# KiCad board bkp_austin.kicad_pcb
title: Austin PCB; date: 2021-03-26; rev: v2.1.2; company: Designed By Gondolindrim; note: In partnership with driftingbunnies and PheonixStarr
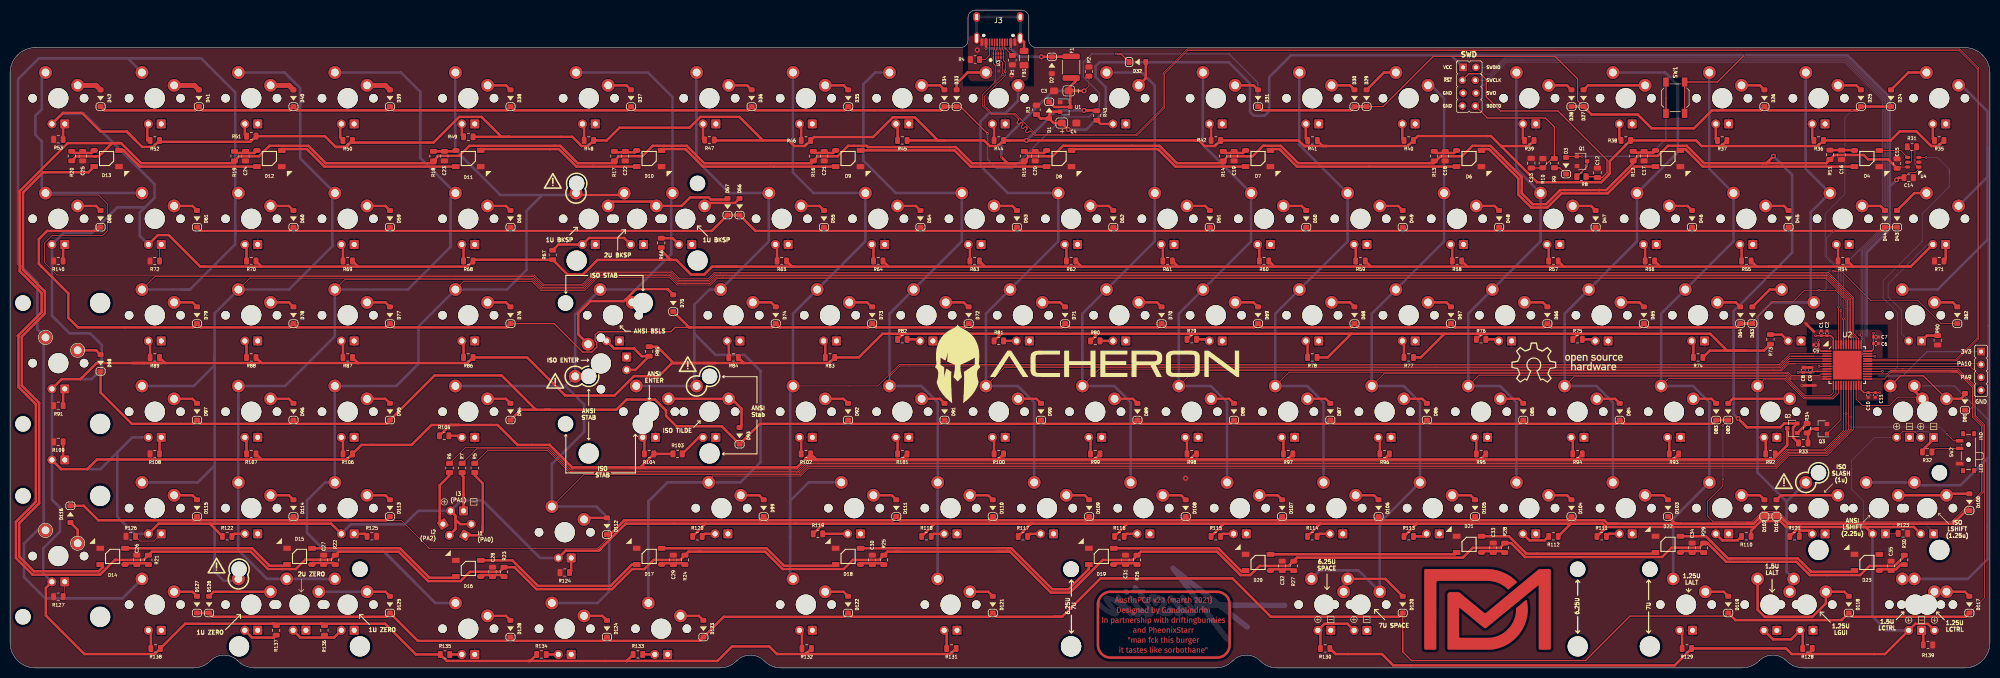
[diagram p0: board, top side]
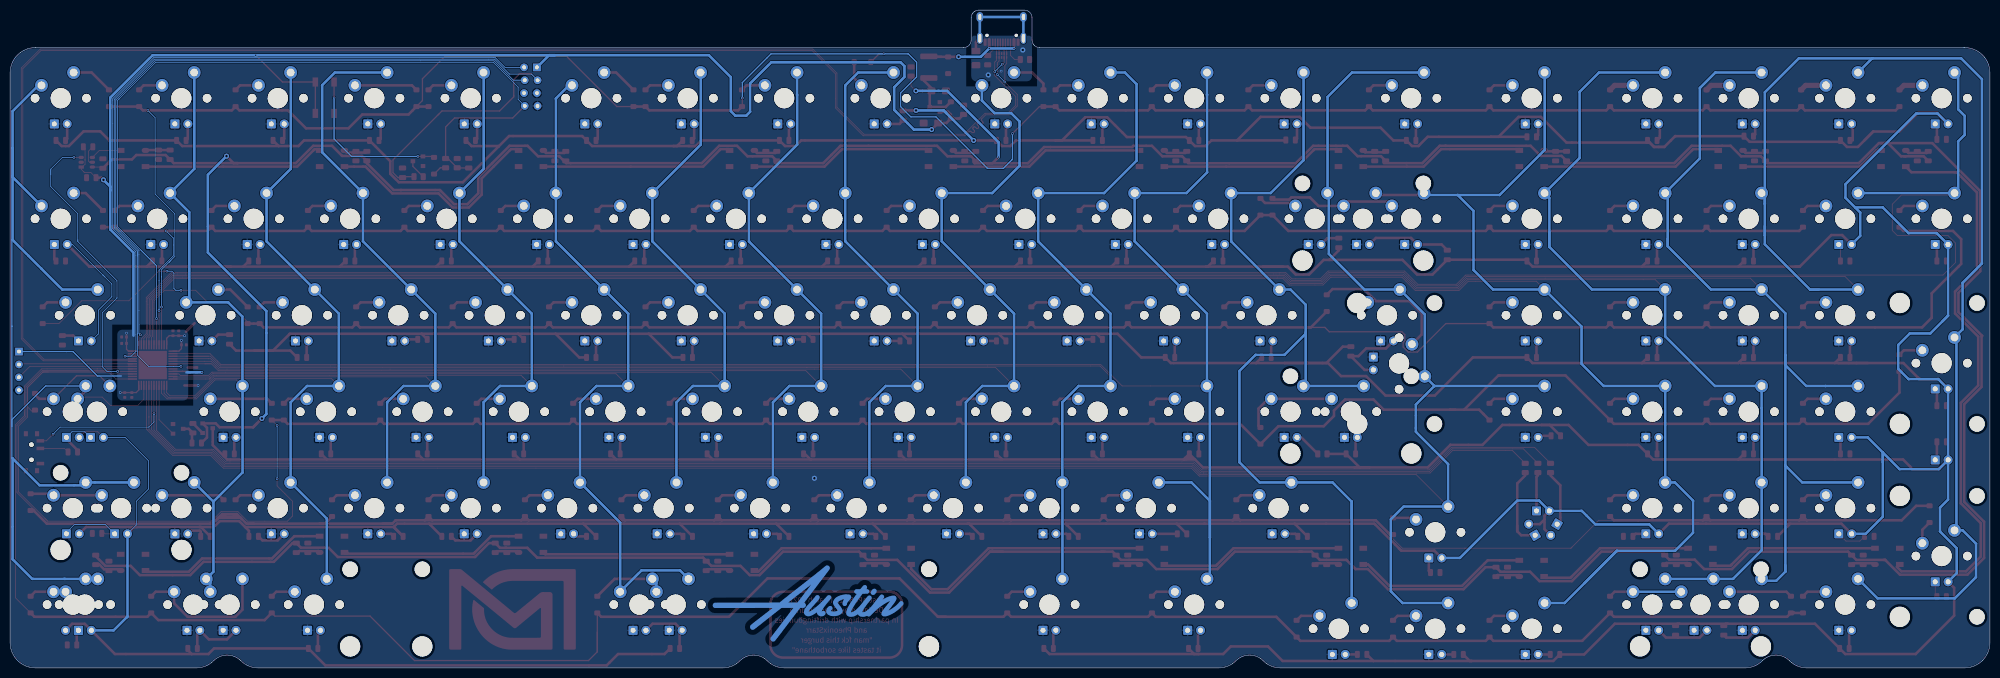
[diagram p1: board, bottom side, seen from below]

Outline 391 x 129.91 mm; copper layers: Top, Bottom. Coordinates in mm from the lower left corner of the outline.
Outline path: 5.08,122.51 arc(1.48,121.06) 0,117.48 0,5 arc(1.46,1.46) 5,0 36.16,0 arc(38,0.37) 39.55,1.41 arc(42.25,2.53) 44.95,1.41 arc(46.51,0.37) 48.35,0 140.11,0 arc(141.95,0.37) 143.51,1.41 arc(146.21,2.53) 148.91,1.41 arc(150.47,0.37) 152.3,0 238.07,0 arc(239.91,0.37) 241.47,1.41 arc(244.17,2.53) 246.87,1.41 arc(248.42,0.37) 250.26,0 342.03,0 arc(343.86,0.37) 345.42,1.41 arc(348.12,2.53) 350.82,1.41 arc(352.38,0.37) 354.22,0 386,0 arc(389.54,1.47) 391,5 391,117.51 arc(389.54,121.04) 386,122.51 202.69,122.51 arc(201.63,122.95) 201.19,124.01 201.19,128.41 arc(200.75,129.47) 199.69,129.91 190.68,129.91 arc(189.62,129.47) 189.18,128.41 189.18,124.01 arc(188.74,122.95) 187.68,122.51 5.08,122.51
Stack: Top 0.035mm / dielectric 1.51mm FR4 er 4.5 / Bottom 0.035mm

## Placement (name value [footprint] x y rotation side)
C1  1u  [C_0402_1005Metric]  357.7 66.08 270 top
C2  100n  [C_0402_1005Metric]  358.84 66.08 270 top
C3  1u  [CP_EIA-3216-10_Kemet-I_Pad1.58x1.35mm_HandSolder]  207.62 113.96 180 top
C4  1u  [CP_EIA-3216-10_Kemet-I_Pad1.58x1.35mm_HandSolder]  209.14 107.61 0 top
C5  100n  [C_0402_1005Metric]  356.68 63.8 180 top
C6  100n  [C_0402_1005Metric]  368.49 64.08 180 top
C7  1u  [C_0402_1005Metric]  368.49 65.35 180 top
C8  4.7u  [C_0402_1005Metric]  354.14 58.84 270 top
C9  10n  [C_0402_1005Metric]  355.54 58.84 270 top
C10  100n  [C_0402_1005Metric]  366.97 53.89 90 top
C11  1u  [C_0402_1005Metric]  368.37 53.89 90 top
C12  10n  [C_0805_2012Metric#2]  313.5 97.78 90 top
C13  10u  [C_0805_2012Metric#2]  300.42 99.68 270 top
C14  100n  [C_0805_2012Metric]  374.97 96.82 0 top
C15  100n  [C_0805_2012Metric]  372.68 99.61 90 top
C16  100n  [C_0805_2012Metric]  361.7 101.33 90 top
C17  100n  [C_0805_2012Metric]  322.71 101.08 90 top
C18  100n  [C_0805_2012Metric]  283.42 101.08 90 top
C19  100n  [C_0805_2012Metric]  241.74 101.08 90 top
C20  100n  [C_0805_2012Metric]  202.45 101.08 90 top
C21  100n  [C_0805_2012Metric]  160.78 101.08 90 top
C22  100n  [C_0805_2012Metric]  121.49 101.08 90 top
C23  100n  [C_0805_2012Metric]  85.77 101.08 90 top
C24  100n  [C_0805_2012Metric]  46.48 101.08 90 top
C25  100n  [C_0805_2012Metric]  14.34 101.08 90 top
C26  100n  [C_0805_2012Metric]  25.02 21.33 270 top
C27  100n  [C_0805_2012Metric]  61.93 21.33 270 top
C28  100n  [C_0805_2012Metric]  95.27 18.95 270 top
C29  100n  [C_0805_2012Metric]  130.98 21.33 270 top
C30  100n  [C_0805_2012Metric]  170.28 21.33 270 top
C31  100n  [C_0805_2012Metric]  220.28 21.33 270 top
C32  100n  [C_0805_2012Metric]  251.24 20.14 270 top
C33  100n  [C_0805_2012Metric]  292.91 23.71 270 top
C34  100n  [C_0805_2012Metric]  332.2 23.71 270 top
C35  100n  [C_0805_2012Metric]  371.49 20.14 270 top
D1  RB060M-60TR  [D_SOD-123]  205.2 110.15 270 top
D2  SMF6.0A  [D_SOD-123]  205.75 119.02 270 top
D3  1N4148W  [D_SOD-123]  307.28 99.17 90 top
D4  WS2812C  [LED_WS2812B_5.0x5.0mm_P3.2mm]  366.71 100.6 0 top
D5  WS2812C  [LED_WS2812B_5.0x5.0mm_P3.2mm]  327.42 100.6 0 top
D6  WS2812C  [LED_WS2812B_5.0x5.0mm_P3.2mm]  288.13 100.6 0 top
D7  WS2812C  [LED_WS2812B_5.0x5.0mm_P3.2mm]  246.46 100.6 0 top
D8  WS2812C  [LED_WS2812B_5.0x5.0mm_P3.2mm]  207.17 100.6 0 top
D9  WS2812C  [LED_WS2812B_5.0x5.0mm_P3.2mm]  165.5 100.6 0 top
D10  WS2812C  [LED_WS2812B_5.0x5.0mm_P3.2mm]  126.21 100.6 0 top
D11  WS2812C  [LED_WS2812B_5.0x5.0mm_P3.2mm]  90.49 100.6 0 top
D12  WS2812C  [LED_WS2812B_5.0x5.0mm_P3.2mm]  51.2 100.6 0 top
D13  WS2812C  [LED_WS2812B_5.0x5.0mm_P3.2mm]  19.05 100.6 0 top
D14  WS2812C  [LED_WS2812B_5.0x5.0mm_P3.2mm]  20.24 22.02 180 top
D15  WS2812C  [LED_WS2812B_5.0x5.0mm_P3.2mm]  57.15 22.02 180 top
D16  WS2812C  [LED_WS2812B_5.0x5.0mm_P3.2mm]  90.49 19.64 180 top
D17  WS2812C  [LED_WS2812B_5.0x5.0mm_P3.2mm]  126.21 22.02 180 top
D18  WS2812C  [LED_WS2812B_5.0x5.0mm_P3.2mm]  165.5 22.02 180 top
D19  WS2812C  [LED_WS2812B_5.0x5.0mm_P3.2mm]  215.5 22.02 180 top
D20  WS2812C  [LED_WS2812B_5.0x5.0mm_P3.2mm]  246.46 20.83 180 top
D21  WS2812C  [LED_WS2812B_5.0x5.0mm_P3.2mm]  288.13 24.4 180 top
D22  WS2812C  [LED_WS2812B_5.0x5.0mm_P3.2mm]  327.42 24.4 180 top
D23  WS2812C  [LED_WS2812B_5.0x5.0mm_P3.2mm]  366.71 20.83 180 top
D24  1N4148W  [D_SOD-123]  371.48 112.51 90 top
D25  1N4148W  [D_SOD-123]  365.52 112.51 90 top
D26  1N4148W  [D_SOD-123]  346.47 112.51 90 top
D27  1N4148W  [D_SOD-123]  310.75 112.51 90 top
D28  1N4148W  [D_SOD-123]  308.37 112.51 90 top
D29  1N4148W  [D_SOD-123]  267.89 112.51 90 top
D30  1N4148W  [D_SOD-123]  265.51 112.51 90 top
D31  1N4148W  [D_SOD-123]  246.46 112.51 90 top
D32  1N4148W  [D_SOD-123]  222.65 119.65 0 top
D33  1N4148W  [D_SOD-123]  186.93 112.51 90 top
D34  1N4148W  [D_SOD-123]  184.52 112.51 90 top
D35  1N4148W  [D_SOD-123]  165.52 112.51 90 top
D36  1N4148W  [D_SOD-123]  146.45 112.51 90 top
D37  1N4148W  [D_SOD-123]  122.63 112.51 90 top
D38  1N4148W  [D_SOD-123]  98.82 112.51 90 top
D39  1N4148W  [D_SOD-123]  75.01 112.51 90 top
D40  1N4148W  [D_SOD-123]  55.96 112.51 90 top
D41  1N4148W  [D_SOD-123]  37.28 112.51 90 top
D42  1N4148W  [D_SOD-123]  17.86 112.51 90 top
D43  1N4148W  [D_SOD-123]  372.67 88.7 90 top
D44  1N4148W  [D_SOD-123]  370.28 88.7 90 top
D45  1N4148W  [D_SOD-123]  351.23 88.7 90 top
D46  1N4148W  [D_SOD-123]  332.18 88.7 90 top
D47  1N4148W  [D_SOD-123]  313.13 88.7 90 top
D48  1N4148W  [D_SOD-123]  294.08 88.7 90 top
D49  1N4148W  [D_SOD-123]  275.03 88.7 90 top
D50  1N4148W  [D_SOD-123]  255.98 88.7 90 top
D51  1N4148W  [D_SOD-123]  236.93 88.7 90 top
D52  1N4148W  [D_SOD-123]  217.88 88.7 90 top
D53  1N4148W  [D_SOD-123]  198.83 88.7 90 top
D54  1N4148W  [D_SOD-123]  179.78 88.7 90 top
D55  1N4148W  [D_SOD-123]  160.73 88.7 90 top
D56  1N4148W  [D_SOD-123]  144.07 91.08 90 top
D57  1N4148W  [D_SOD-123]  141.68 91.08 90 top
D58  1N4148W  [D_SOD-123]  98.82 88.7 90 top
D59  1N4148W  [D_SOD-123]  75.01 88.7 90 top
D60  1N4148W  [D_SOD-123]  55.96 88.7 90 top
D61  1N4148W  [D_SOD-123]  36.91 88.7 90 top
D62  1N4148W  [D_SOD-123]  384.57 69.65 90 top
D63  1N4148W  [D_SOD-123]  344.09 69.65 90 top
D64  1N4148W  [D_SOD-123]  341.71 69.65 90 top
D65  1N4148W  [D_SOD-123]  322.66 69.65 90 top
D66  1N4148W  [D_SOD-123]  303.61 69.65 90 top
D67  1N4148W  [D_SOD-123]  284.56 69.65 90 top
D68  1N4148W  [D_SOD-123]  265.51 69.65 90 top
D69  1N4148W  [D_SOD-123]  246.46 69.65 90 top
D70  1N4148W  [D_SOD-123]  227.41 69.65 90 top
D71  1N4148W  [D_SOD-123]  208.36 69.65 90 top
D72  1N4148W  [D_SOD-123]  189.31 69.65 90 top
D73  1N4148W  [D_SOD-123]  170.26 69.65 90 top
D74  1N4148W  [D_SOD-123]  151.21 69.65 90 top
D75  1N4148W  [D_SOD-123]  130.97 72.03 90 top
D76  1N4148W  [D_SOD-123]  98.82 69.65 90 top
D77  1N4148W  [D_SOD-123]  75.01 69.65 90 top
D78  1N4148W  [D_SOD-123]  55.96 69.65 90 top
D79  1N4148W  [D_SOD-123]  36.91 69.65 90 top
D80  1N4148W  [D_SOD-123]  17.86 88.7 90 top
D81  1N4148W  [D_SOD-123]  386.08 52.57 90 top
D82  1N4148W  [D_SOD-123]  339.33 50.6 90 top
D83  1N4148W  [D_SOD-123]  336.95 50.6 90 top
D84  1N4148W  [D_SOD-123]  317.9 50.6 90 top
D85  1N4148W  [D_SOD-123]  298.85 50.6 90 top
D86  1N4148W  [D_SOD-123]  279.8 50.6 90 top
D87  1N4148W  [D_SOD-123]  260.75 50.6 90 top
D88  1N4148W  [D_SOD-123]  241.7 50.6 90 top
D89  1N4148W  [D_SOD-123]  222.65 50.6 90 top
D90  1N4148W  [D_SOD-123]  203.6 50.6 90 top
D91  1N4148W  [D_SOD-123]  184.55 50.6 90 top
D92  1N4148W  [D_SOD-123]  165.5 50.6 90 top
D93  1N4148W  [D_SOD-123]  144.07 45.83 90 top
D94  1N4148W  [D_SOD-123]  98.82 50.6 90 top
D95  1N4148W  [D_SOD-123]  75.01 50.6 90 top
D96  1N4148W  [D_SOD-123]  55.96 50.6 90 top
D97  1N4148W  [D_SOD-123]  36.91 50.6 90 top
D98  1N4148W  [D_SOD-123]  17.86 60.21 90 top
D99  1N4148W  [D_SOD-123]  148.83 31.55 90 top
D100  1N4148W  [D_SOD-123]  386.95 32.74 90 top
D101  1N4148W  [D_SOD-123]  348.85 31.55 90 top
D102  1N4148W  [D_SOD-123]  346.47 31.55 90 top
D103  1N4148W  [D_SOD-123]  327.42 31.55 90 top
D104  1N4148W  [D_SOD-123]  308.37 31.55 90 top
D105  1N4148W  [D_SOD-123]  289.32 31.55 90 top
D106  1N4148W  [D_SOD-123]  270.27 31.55 90 top
D107  1N4148W  [D_SOD-123]  251.22 31.55 90 top
D108  1N4148W  [D_SOD-123]  232.17 31.55 90 top
D109  1N4148W  [D_SOD-123]  213.12 31.55 90 top
D110  1N4148W  [D_SOD-123]  194.07 31.55 90 top
D111  1N4148W  [D_SOD-123]  175.02 31.55 90 top
D112  1N4148W  [D_SOD-123]  117.87 27.97 90 top
D113  1N4148W  [D_SOD-123]  75.01 31.55 90 top
D114  1N4148W  [D_SOD-123]  55.96 31.55 90 top
D115  1N4148W  [D_SOD-123]  36.91 31.55 90 top
D116  1N4148W  [D_SOD-123]  11.91 30.36 270 top
D117  1N4148W  [D_SOD-123]  386.95 12.5 90 top
D118  1N4148W  [D_SOD-123]  363.14 12.5 90 top
D119  1N4148W  [D_SOD-123]  339.33 12.5 90 top
D120  1N4148W  [D_SOD-123]  275.03 12.5 90 top
D121  1N4148W  [D_SOD-123]  194.07 12.5 90 top
D122  1N4148W  [D_SOD-123]  165.5 12.5 90 top
D123  1N4148W  [D_SOD-123]  136.92 7.73 90 top
D124  1N4148W  [D_SOD-123]  117.87 7.73 90 top
D125  1N4148W  [D_SOD-123]  75.01 12.5 90 top
D126  1N4148W  [D_SOD-123]  39.29 12.5 90 top
D127  1N4148W  [D_SOD-123]  36.91 12.5 90 top
D128  1N4148W  [D_SOD-123]  98.82 7.73 90 top
F1  RF1338-000  [Fuse_1812_4532]  209.56 118.64 90 top
FB1  CBW321609U121T  [L_1206_3216Metric]  200.25 120.44 90 top
GR1  Warning sign  [warning_sign_3.6x3.2mm]  107.19 96.19 0 top
GR2  Warning sign  [warning_sign_3.6x3.2mm]  107.66 56.69 0 top
GR3  Warning sign  [warning_sign_3.6x3.2mm]  350.33 36.88 0 top
GR4  Warning sign  [warning_sign_3.6x3.2mm]  133.83 59.99 0 top
GR5  Warning sign  [warning_sign_3.6x3.2mm]  40.77 20.21 0 top
J1  EXTRA PINS  [PinHeader_1x4_P2.54mm_Vertical]  389.25 58.66 0 top
J2  ARM SWD  [Conn_ARM_JTAG_SWD_8]  288.1 116.07 0 top
J3  -  [TYPE-C-31-M-12]  195.18 122.85 180 top
L1  Drift Mechanics Logo  [driftMechanics_logo]  291.78 11.56 0 top
L2  LogoBack  [acheronLongExtended]  212.73 60.06 0 top
L3  OSHLogo  [osh-logo]  307.5 60.03 0 top
L4  AustinLogoPlated  [austinLogo_16x40_Plated]  233.4 12.71 180 bottom
L5  AustinLabel  [austinLabel]  227.84 8.53 0 top
LED1  LED  [LED_THT_2.54mm]  378.62 45.52 0 top
LED2  LED  [LED_THT_2.54mm]  373.86 45.52 0 top
LED3  LED  [LED_THT_2.54mm]  9.53 107.43 0 top
LED4  LED  [LED_THT_2.54mm]  381 107.43 0 top
LED5  LED  [LED_THT_2.54mm]  357.19 107.43 0 top
LED6  LED  [LED_THT_2.54mm]  338.14 107.43 0 top
LED7  LED  [LED_THT_2.54mm]  319.09 107.43 0 top
LED8  LED  [LED_THT_2.54mm]  300.04 107.43 0 top
LED9  LED  [LED_THT_2.54mm]  276.23 107.43 0 top
LED10  LED  [LED_THT_2.54mm]  257.17 107.44 0 top
LED11  LED  [LED_THT_2.54mm]  238.12 107.43 0 top
LED12  LED  [LED_THT_2.54mm]  219.07 107.43 0 top
LED13  LED  [LED_THT_2.54mm]  195.26 107.43 0 top
LED14  LED  [LED_THT_2.54mm]  176.21 107.43 0 top
LED15  LED  [LED_THT_2.54mm]  157.16 107.43 0 top
LED16  LED  [LED_THT_2.54mm]  138.11 107.43 0 top
LED17  LED  [LED_THT_2.54mm]  114.3 107.43 0 top
LED18  LED  [LED_THT_2.54mm]  90.49 107.43 0 top
LED19  LED  [LED_THT_2.54mm]  66.67 107.43 0 top
LED20  LED  [LED_THT_2.54mm]  47.62 107.43 0 top
LED21  LED  [LED_THT_2.54mm]  28.58 107.43 0 top
LED22  LED  [LED_THT_2.54mm]  381 83.62 0 top
LED23  LED  [LED_THT_2.54mm]  28.58 83.62 0 top
LED24  LED  [LED_THT_2.54mm]  361.95 83.62 0 top
LED25  LED  [LED_THT_2.54mm]  342.9 83.62 0 top
LED26  LED  [LED_THT_2.54mm]  323.85 83.62 0 top
LED27  LED  [LED_THT_2.54mm]  304.8 83.62 0 top
LED28  LED  [LED_THT_2.54mm]  285.75 83.62 0 top
LED29  LED  [LED_THT_2.54mm]  266.7 83.62 0 top
LED30  LED  [LED_THT_2.54mm]  247.65 83.62 0 top
LED31  LED  [LED_THT_2.54mm]  228.6 83.62 0 top
LED32  LED  [LED_THT_2.54mm]  209.55 83.62 0 top
LED33  LED  [LED_THT_2.54mm]  190.5 83.62 0 top
LED34  LED  [LED_THT_2.54mm]  171.45 83.62 0 top
LED35  LED  [LED_THT_2.54mm]  152.4 83.62 0 top
LED36  LED  [LED_THT_2.54mm]  133.35 83.62 0 top
LED37  LED  [LED_THT_2.54mm]  114.3 83.62 0 top
LED38  LED  [LED_THT_2.54mm]  123.83 83.62 0 top
LED39  LED  [LED_THT_2.54mm]  90.49 83.62 0 top
LED40  LED  [LED_THT_2.54mm]  66.67 83.62 0 top
LED41  LED  [LED_THT_2.54mm]  47.62 83.62 0 top
LED42  LED  [LED_THT_2.54mm]  376.24 64.57 0 top
LED43  LED  [LED_THT_2.54mm]  9.53 55.11 0 top
LED44  LED  [LED_THT_2.54mm]  352.43 64.57 0 top
LED45  LED  [LED_THT_2.54mm]  333.38 64.57 0 top
LED46  LED  [LED_THT_2.54mm]  314.32 64.57 0 top
LED47  LED  [LED_THT_2.54mm]  295.28 64.57 0 top
LED48  LED  [LED_THT_2.54mm]  276.23 64.57 0 top
LED49  LED  [LED_THT_2.54mm]  257.18 64.57 0 top
LED50  LED  [LED_THT_2.54mm]  238.12 64.57 0 top
LED51  LED  [LED_THT_2.54mm]  219.07 64.57 0 top
LED52  LED  [LED_THT_2.54mm]  200.03 64.57 0 top
LED53  LED  [LED_THT_2.54mm]  180.98 64.57 0 top
LED54  LED  [LED_THT_2.54mm]  161.93 64.57 0 top
LED55  LED  [LED_THT_2.54mm]  142.88 64.57 0 top
LED56  LED  [LED_THT_2.54mm]  119.06 64.57 0 top
LED57  LED  [LED_THT_2.54mm]  121.76 60.12 90 top
LED58  LED  [LED_THT_2.54mm]  90.49 64.57 0 top
LED59  LED  [LED_THT_2.54mm]  66.67 64.57 0 top
LED60  LED  [LED_THT_2.54mm]  47.62 64.57 0 top
LED61  LED  [LED_THT_2.54mm]  28.58 64.57 0 top
LED62  LED  [LED_THT_2.54mm]  28.58 45.52 0 top
LED63  LED  [LED_THT_2.54mm]  9.53 41.07 0 top
LED64  LED  [LED_THT_2.54mm]  347.66 45.52 0 top
LED65  LED  [LED_THT_2.54mm]  328.61 45.52 0 top
LED66  LED  [LED_THT_2.54mm]  309.56 45.52 0 top
LED67  LED  [LED_THT_2.54mm]  290.51 45.52 0 top
LED68  LED  [LED_THT_2.54mm]  271.46 45.52 0 top
LED69  LED  [LED_THT_2.54mm]  252.41 45.52 0 top
LED70  LED  [LED_THT_2.54mm]  233.36 45.52 0 top
LED71  LED  [LED_THT_2.54mm]  214.31 45.52 0 top
LED72  LED  [LED_THT_2.54mm]  195.26 45.52 0 top
LED73  LED  [LED_THT_2.54mm]  176.21 45.52 0 top
LED74  LED  [LED_THT_2.54mm]  157.16 45.52 0 top
LED75  LED  [LED_THT_2.54mm]  138.11 45.52 0 top
LED76  LED  [LED_THT_2.54mm]  126.21 45.52 0 top
LED77  LED  [LED_THT_2.54mm]  90.49 45.52 0 top
LED78  LED  [LED_THT_2.54mm]  66.67 45.52 0 top
LED79  LED  [LED_THT_2.54mm]  47.62 45.52 0 top
LED80  LED  [LED_THT_2.54mm]  378.61 26.48 0 top
LED81  LED  [LED_THT_2.54mm]  369.09 26.47 0 top
LED82  LED  [LED_THT_2.54mm]  109.54 21.71 0 top
LED83  LED  [LED_THT_2.54mm]  66.67 26.47 0 top
LED84  LED  [LED_THT_2.54mm]  28.58 26.47 0 top
LED85  LED  [LED_THT_2.54mm]  9.52 17 0 top
LED86  LED  [LED_THT_2.54mm]  338.14 26.47 0 top
LED87  LED  [LED_THT_2.54mm]  319.09 26.47 0 top
LED88  LED  [LED_THT_2.54mm]  300.04 26.47 0 top
LED89  LED  [LED_THT_2.54mm]  280.99 26.47 0 top
LED90  LED  [LED_THT_2.54mm]  261.94 26.47 0 top
LED91  LED  [LED_THT_2.54mm]  242.89 26.47 0 top
LED92  LED  [LED_THT_2.54mm]  223.84 26.47 0 top
LED93  LED  [LED_THT_2.54mm]  204.79 26.47 0 top
LED94  LED  [LED_THT_2.54mm]  185.74 26.47 0 top
LED95  LED  [LED_THT_2.54mm]  166.69 26.47 0 top
LED96  LED  [LED_THT_2.54mm]  140.49 26.47 0 top
LED97  LED  [LED_THT_2.54mm]  357.19 26.47 0 top
LED98  LED  [LED_THT_2.54mm]  47.62 26.47 0 top
LED99  LED  [LED_THT_2.54mm]  376.24 7.41 0 top
LED100  LED  [LED_THT_2.54mm]  378.78 7.41 180 top
LED101  LED  [LED_THT_2.54mm]  9.53 83.62 0 top
LED102  LED  [LED_THT_2.54mm]  347.66 7.41 0 top
LED103  LED  [LED_THT_2.54mm]  354.8 7.41 0 top
LED104  LED  [LED_THT_2.54mm]  330.99 7.42 0 top
LED105  LED  [LED_THT_2.54mm]  259.56 7.42 0 top
LED106  LED  [LED_THT_2.54mm]  266.7 7.41 0 top
LED107  LED  [LED_THT_2.54mm]  185.74 7.42 0 top
LED108  LED  [LED_THT_2.54mm]  157.16 7.42 0 top
LED109  LED  [LED_THT_2.54mm]  128.59 2.66 0 top
LED110  LED  [LED_THT_2.54mm]  109.54 2.66 0 top
LED111  LED  [LED_THT_2.54mm]  90.49 2.66 0 top
LED112  LED  [LED_THT_2.54mm]  57.15 7.42 0 top
LED113  LED  [LED_THT_2.54mm]  66.67 7.42 0 top
LED114  LED  [LED_THT_2.54mm]  47.62 7.42 0 top
LED115  LED  [LED_THT_2.54mm]  28.58 7.42 0 top
LEDCAPS1  LED  [LED_THT_2.54mm]  88.27 31.01 0 top
LEDNUM1  LED  [LED_THT_2.54mm]  86.11 27.29 120 top
LEDSCR1  LED  [LED_THT_2.54mm]  90.44 27.29 240 top
Q1  DTC123JKAT146  [SOT-23]  310.45 100.06 0 top
Q2  AO3401A  [SOT-23]  351.98 47.34 180 top
Q3  DTC123JKAT146  [SOT-23]  357.82 47.21 180 top
R1  5.1k  [R_0805_2012Metric]  197.94 120.03 90 top
R2  100k  [R_0805_2012Metric]  213.07 117.78 90 top
R3  100k  [R_0805_2012Metric]  202.69 110.22 90 top
R4  5.1k  [R_0805_2012Metric]  190.57 120.15 0 top
R5  470R  [R_0805_2012Metric]  91.77 39.48 90 top
R6  470R  [R_0805_2012Metric]  86.77 39.48 270 top
R7  470R  [R_0805_2012Metric]  89.27 39.48 270 top
R8  100R  [R_0805_2012Metric]  310.33 97.02 0 top
R9  330k  [R_0805_2012Metric]  304.99 99.68 90 top
R10  1M  [R_0805_2012Metric]  302.71 99.68 90 top
R11  4.7R  [R_0805_2012Metric#2]  359.41 101.33 270 top
R12  4.7R  [R_0805_2012Metric#2]  320.55 101.08 270 top
R13  4.7R  [R_0805_2012Metric#2]  281.26 101.08 270 top
R14  4.7R  [R_0805_2012Metric#2]  239.59 101.08 270 top
R15  4.7R  [R_0805_2012Metric#2]  200.29 101.08 270 top
R16  4.7R  [R_0805_2012Metric#2]  158.62 101.08 270 top
R17  4.7R  [R_0805_2012Metric#2]  119.33 101.08 270 top
R18  4.7R  [R_0805_2012Metric#2]  83.61 101.08 270 top
R19  4.7R  [R_0805_2012Metric#2]  44.32 101.08 270 top
R20  4.7R  [R_0805_2012Metric#2]  12.18 101.08 270 top
R21  4.7R  [R_0805_2012Metric#2]  27.31 21.33 90 top
R22  4.7R  [R_0805_2012Metric#2]  64.21 21.33 90 top
R23  4.7R  [R_0805_2012Metric#2]  97.55 18.95 90 top
R24  4.7R  [R_0805_2012Metric#2]  133.27 21.33 90 top
R25  4.7R  [R_0805_2012Metric#2]  172.56 21.33 90 top
R26  4.7R  [R_0805_2012Metric#2]  222.57 21.33 90 top
R27  4.7R  [R_0805_2012Metric#2]  253.52 20.14 90 top
R28  4.7R  [R_0805_2012Metric#2]  295.2 23.71 90 top
R29  4.7R  [R_0805_2012Metric#2]  334.49 23.71 90 top
R30  4.7R  [R_0805_2012Metric#2]  374.09 21.33 90 top
R31  10k  [R_0805_2012Metric#2]  375.61 102.91 0 top
R32  470R  [R_0805_2012Metric#2]  378.62 42.64 180 top
R33  1k  [R_0805_2012Metric#2]  354.14 44.41 0 top
R34  100R  [R_0805_2012Metric#2]  354.9 47.34 270 top
R35  470R  [R_0805_2012Metric#2]  381 104.17 180 top
R36  470R  [R_0805_2012Metric#2]  357.19 104.17 180 top
R37  470R  [R_0805_2012Metric#2]  338.14 104.17 180 top
R38  470R  [R_0805_2012Metric#2]  319.09 104.17 180 top
R39  470R  [R_0805_2012Metric#2]  300.04 104.17 180 top
R40  470R  [R_0805_2012Metric#2]  276.23 104.17 180 top
R41  470R  [R_0805_2012Metric#2]  257.23 104.17 180 top
R42  470R  [R_0805_2012Metric#2]  238.12 104.17 180 top
R43  470R  [R_0805_2012Metric#2]  214.63 109.08 270 top
R44  470R  [R_0805_2012Metric#2]  195.26 104.17 180 top
R45  470R  [R_0805_2012Metric#2]  176.21 104.17 180 top
R46  470R  [R_0805_2012Metric#2]  157.16 104.17 180 top
R47  470R  [R_0805_2012Metric#2]  138.11 104.25 180 top
R48  470R  [R_0805_2012Metric#2]  114.3 104.17 180 top
R49  470R  [R_0805_2012Metric#2]  90.49 104.89 180 top
R50  470R  [R_0805_2012Metric#2]  66.67 104.17 180 top
R51  470R  [R_0805_2012Metric#2]  47.62 105.02 180 top
R52  470R  [R_0805_2012Metric#2]  28.58 104.17 180 top
R53  470R  [R_0805_2012Metric#2]  9.52 104.38 180 top
R54  470R  [R_0805_2012Metric#2]  361.95 80.36 180 top
R55  470R  [R_0805_2012Metric#2]  342.9 80.36 180 top
R56  470R  [R_0805_2012Metric#2]  323.85 80.36 180 top
R57  470R  [R_0805_2012Metric#2]  304.8 80.36 180 top
R58  470R  [R_0805_2012Metric#2]  285.75 80.36 180 top
R59  470R  [R_0805_2012Metric#2]  266.7 80.36 180 top
R60  470R  [R_0805_2012Metric#2]  247.65 80.36 180 top
R61  470R  [R_0805_2012Metric#2]  228.6 80.36 180 top
R62  470R  [R_0805_2012Metric#2]  209.55 80.36 180 top
R63  470R  [R_0805_2012Metric#2]  190.5 80.36 180 top
R64  470R  [R_0805_2012Metric#2]  171.45 80.36 180 top
R65  470R  [R_0805_2012Metric#2]  152.4 80.36 180 top
R66  470R  [R_0805_2012Metric#2]  128.59 83.93 90 top
R67  470R  [R_0805_2012Metric#2]  107.16 81.55 90 top
R68  470R  [R_0805_2012Metric#2]  90.49 80.36 180 top
R69  470R  [R_0805_2012Metric#2]  66.67 80.36 180 top
R70  470R  [R_0805_2012Metric#2]  47.62 80.36 180 top
R71  470R  [R_0805_2012Metric#2]  381 80.36 180 top
R72  470R  [R_0805_2012Metric#2]  28.58 80.36 180 top
R73  470R  [R_0805_2012Metric#2]  347.66 64.88 90 top
R74  470R  [R_0805_2012Metric#2]  333.38 61.31 180 top
R75  470R  [R_0805_2012Metric#2]  309.56 64.88 0 top
R76  470R  [R_0805_2012Metric#2]  290.51 64.88 0 top
R77  470R  [R_0805_2012Metric#2]  276.23 61.31 180 top
R78  470R  [R_0805_2012Metric#2]  257.18 61.31 180 top
R79  470R  [R_0805_2012Metric#2]  233.36 64.88 0 top
R80  470R  [R_0805_2012Metric#2]  214.31 64.57 0 top
R81  470R  [R_0805_2012Metric#2]  195.26 64.57 0 top
R82  470R  [R_0805_2012Metric#2]  176.21 64.88 0 top
R83  470R  [R_0805_2012Metric#2]  161.93 61.31 180 top
R84  470R  [R_0805_2012Metric#2]  142.88 61.31 180 top
R85  470R  [R_0805_2012Metric#2]  126.21 62.5 270 top
R86  470R  [R_0805_2012Metric#2]  90.49 61.31 180 top
R87  470R  [R_0805_2012Metric#2]  66.67 61.31 180 top
R88  470R  [R_0805_2012Metric#2]  47.62 61.31 180 top
R89  470R  [R_0805_2012Metric#2]  28.58 61.31 180 top
R90  470R  [R_0805_2012Metric#2]  380.68 64.69 90 top
R91  470R  [R_0805_2012Metric#2]  9.53 51.79 180 top
R92  470R  [R_0805_2012Metric#2]  347.66 42.26 180 top
R93  470R  [R_0805_2012Metric#2]  328.61 42.26 180 top
R94  470R  [R_0805_2012Metric#2]  309.56 42.26 180 top
R95  470R  [R_0805_2012Metric#2]  290.51 42.26 180 top
R96  470R  [R_0805_2012Metric#2]  271.46 42.26 180 top
R97  470R  [R_0805_2012Metric#2]  252.41 42.26 180 top
R98  470R  [R_0805_2012Metric#2]  233.36 42.26 180 top
R99  470R  [R_0805_2012Metric#2]  214.31 42.26 180 top
R100  470R  [R_0805_2012Metric#2]  195.26 42.26 180 top
R101  470R  [R_0805_2012Metric#2]  176.21 42.26 180 top
R102  470R  [R_0805_2012Metric#2]  157.16 42.26 180 top
R103  470R  [R_0805_2012Metric]  131.83 42.26 0 top
R104  470R  [R_0805_2012Metric#2]  126.21 42.26 180 top
R105  470R  [R_0805_2012Metric#2]  85.73 45.83 0 top
R106  470R  [R_0805_2012Metric#2]  66.67 42.26 180 top
R107  470R  [R_0805_2012Metric#2]  47.62 42.26 180 top
R108  470R  [R_0805_2012Metric#2]  28.58 42.26 180 top
R109  470R  [R_0805_2012Metric#2]  9.53 44.64 180 top
R110  470R  [R_0805_2012Metric#2]  342.9 25.97 180 top
R111  470R  [R_0805_2012Metric#2]  314.32 25.97 0 top
R112  470R  [R_0805_2012Metric#2]  304.8 25.97 180 top
R113  470R  [R_0805_2012Metric#2]  276.23 25.97 0 top
R114  470R  [R_0805_2012Metric#2]  257.18 25.97 0 top
R115  470R  [R_0805_2012Metric#2]  238.12 25.97 0 top
R116  470R  [R_0805_2012Metric#2]  219.07 25.97 0 top
R117  470R  [R_0805_2012Metric#2]  200.03 25.97 0 top
R118  470R  [R_0805_2012Metric#2]  180.98 25.97 0 top
R119  470R  [R_0805_2012Metric#2]  159.54 26.47 0 top
R120  470R  [R_0805_2012Metric#2]  135.73 25.97 0 top